# KiCad board 6502-ACE.kicad_pcb
title: 6502 ACE; date: 2026-04-29; rev: 1.0; company: A.C. Wright Design
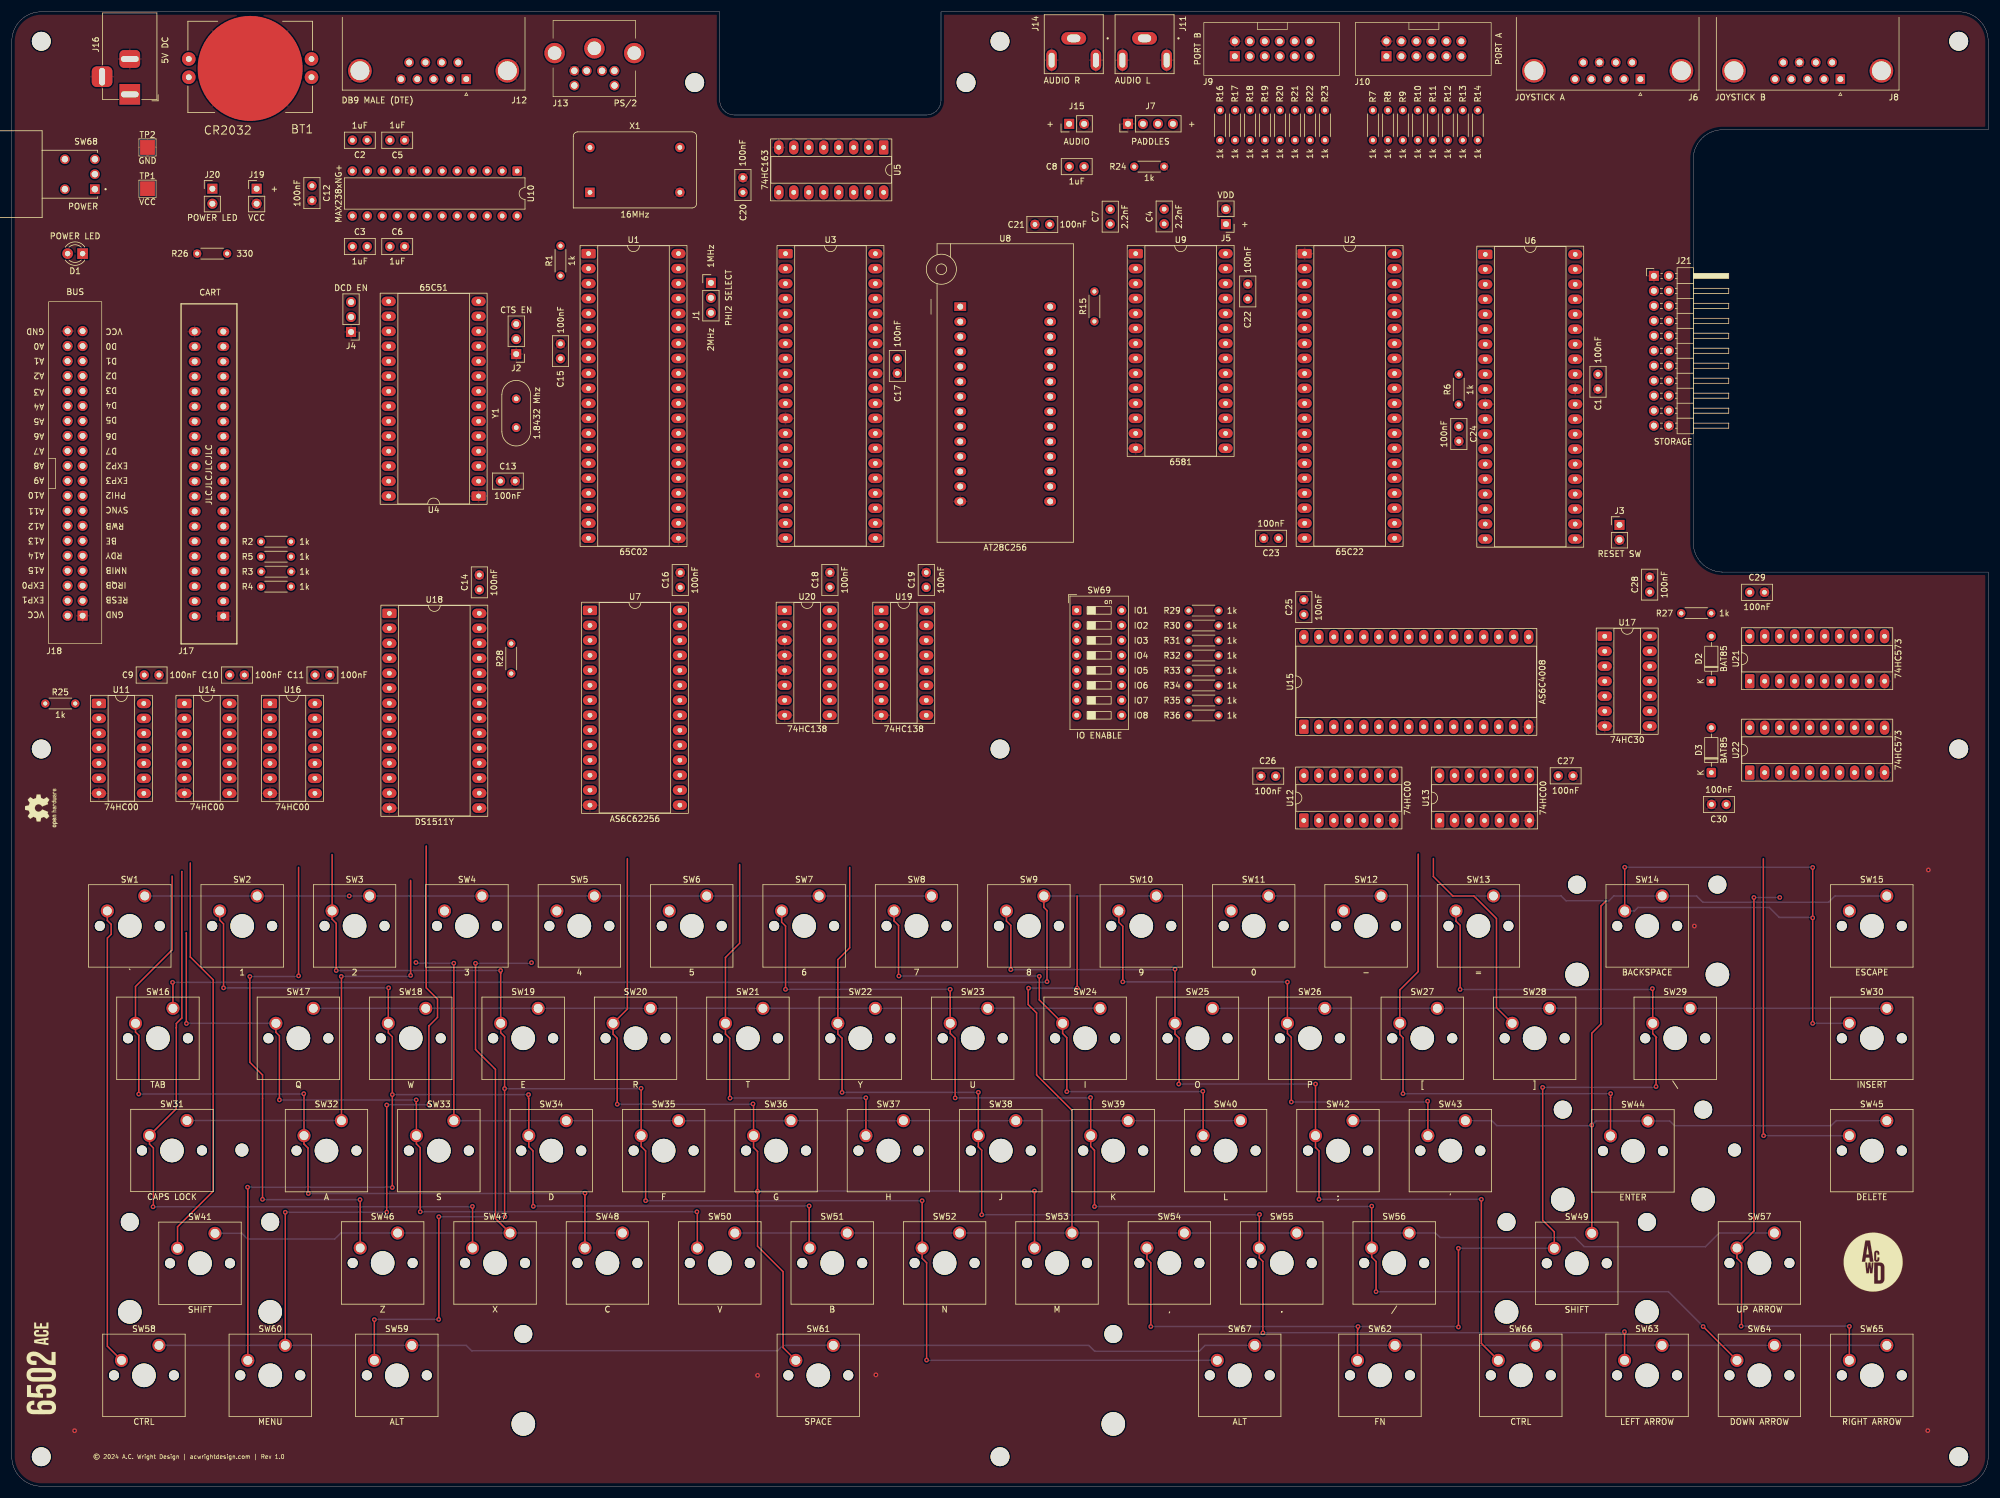
[diagram p0: board, top side]
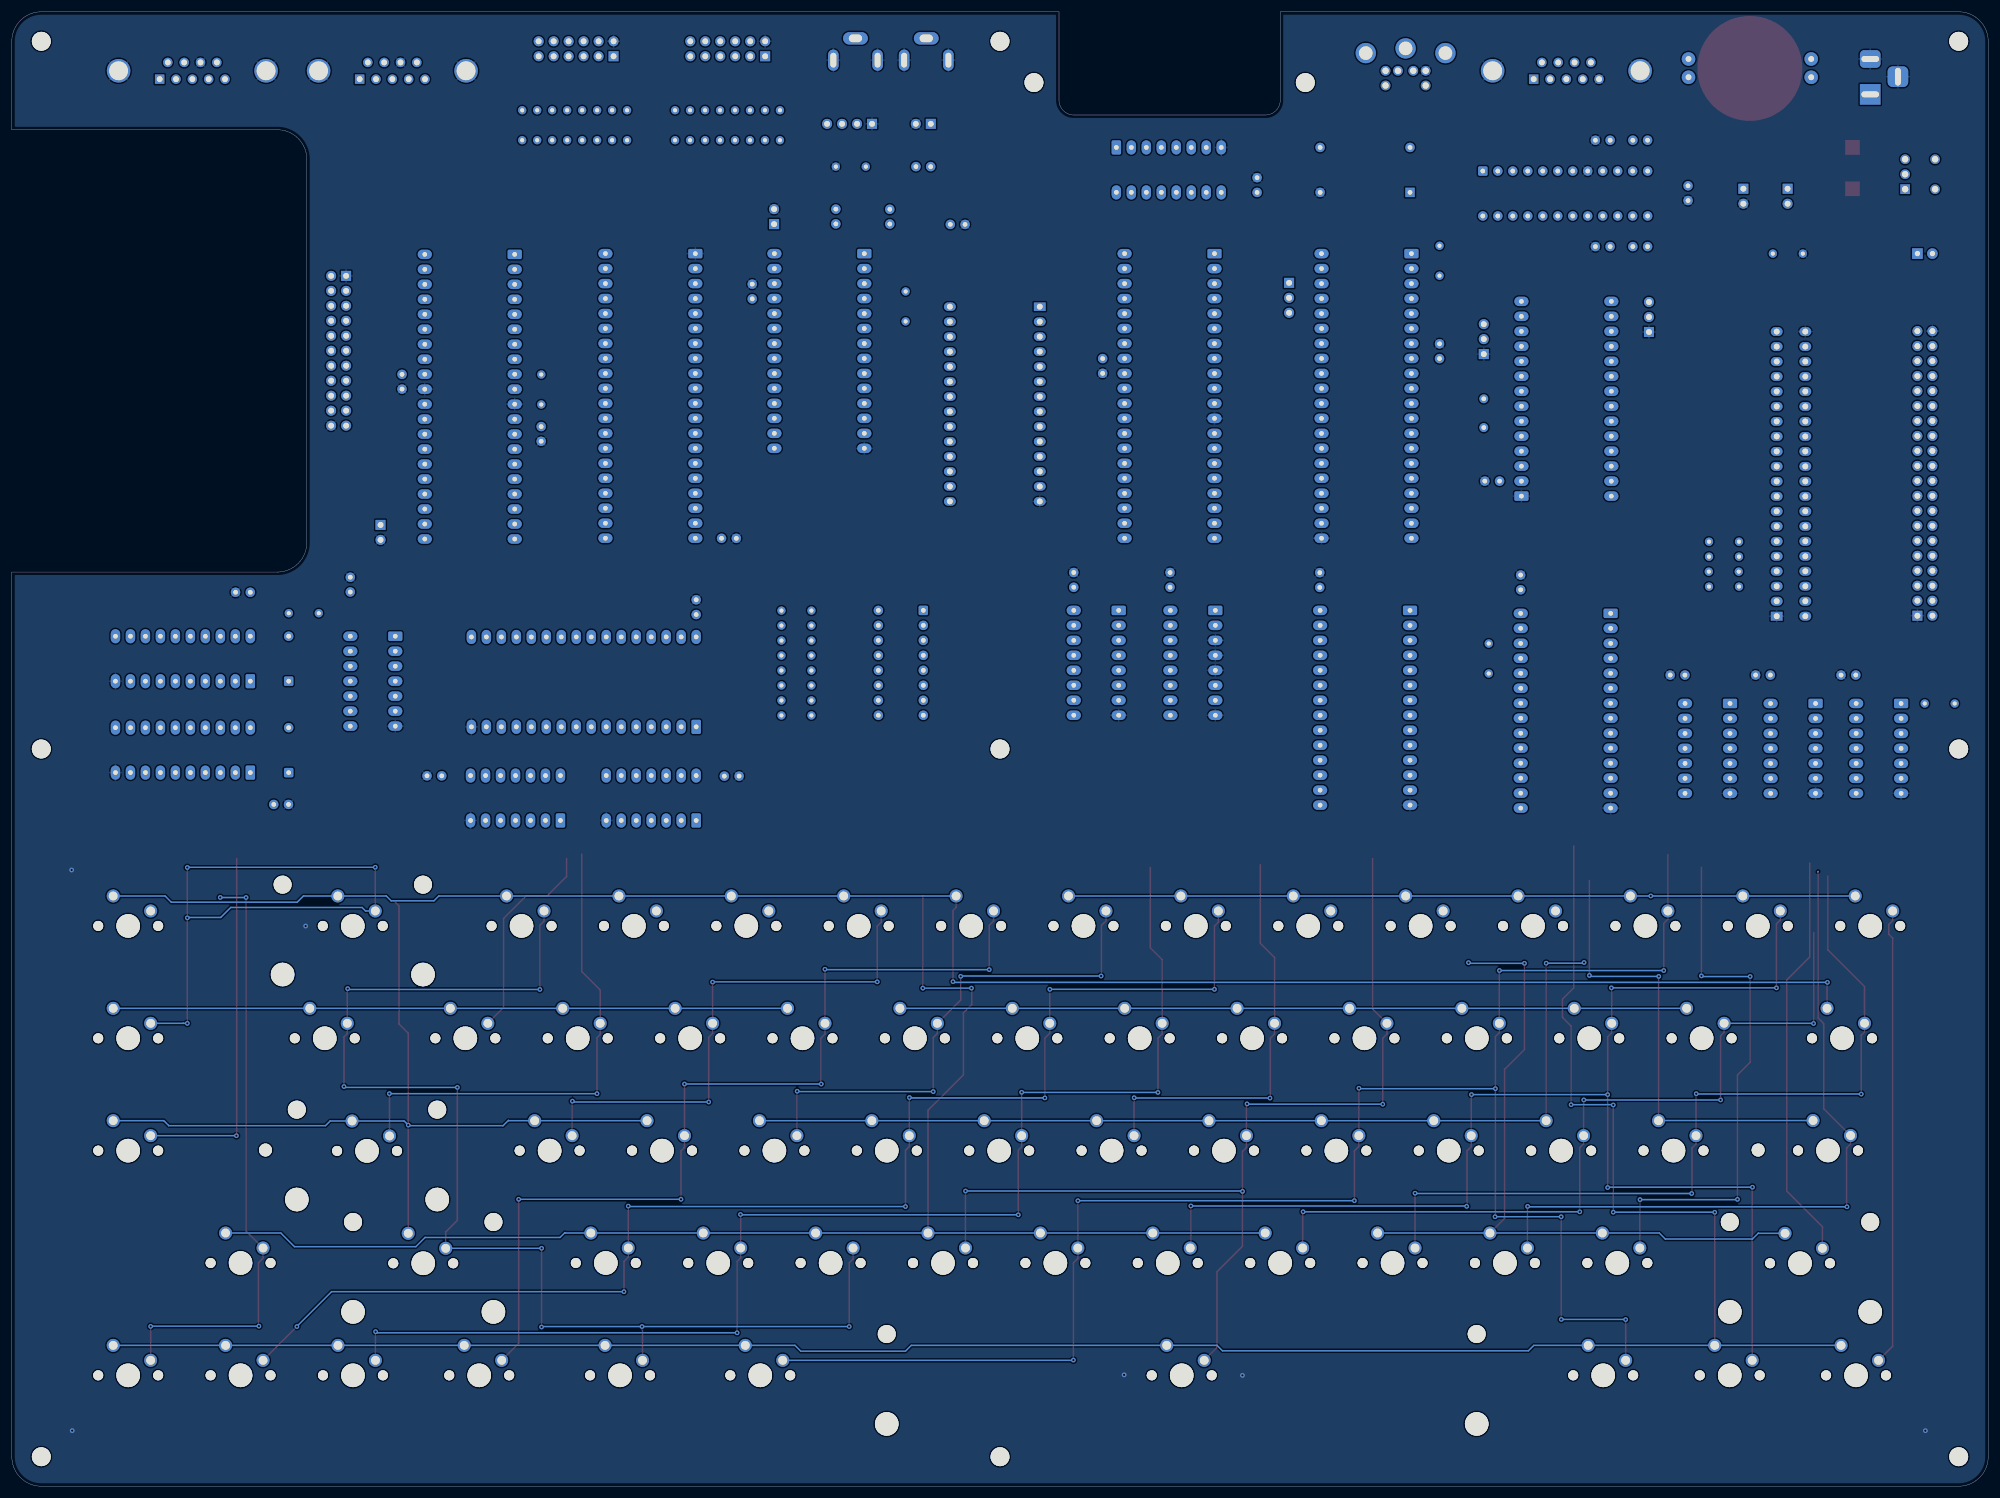
[diagram p1: board, bottom side, seen from below]

Outline 335 x 250 mm; copper layers: Top, Bottom. Coordinates in mm from the lower left corner of the outline.
Outline path: 0,245 arc(1.46,248.54) 5,250 120,250 120,235 arc(120.73,233.23) 122.5,232.5 155,232.5 arc(156.77,233.23) 157.5,235 157.5,250 330,250 arc(333.54,248.54) 335,245 335,230 290,230 arc(286.46,228.54) 285,225 285,160 arc(286.46,156.46) 290,155 335,155 335,5 arc(333.54,1.46) 330,0 5,0 arc(1.46,1.46) 0,5 0,245

## Placement (name value [footprint] x y rotation side)
BT1  CR2032  [BAT_BAT-HLD-001-THM]  40.4 240.4 180 top
C1  100nF  [C_Disc_D5.0mm_W2.5mm_P2.50mm]  268.86 186.03 90 top
C2  1uF  [C_Disc_D5.0mm_W2.5mm_P2.50mm]  60.23 228.23 180 top
C3  1uF  [C_Disc_D5.0mm_W2.5mm_P2.50mm]  57.73 210.19 0 top
C4  2.2nF  [C_Disc_D5.0mm_W2.5mm_P2.50mm]  195.33 214.04 90 top
C5  1uF  [C_Disc_D5.0mm_W2.5mm_P2.50mm]  64.08 228.23 0 top
C6  1uF  [C_Disc_D5.0mm_W2.5mm_P2.50mm]  64.08 210.19 0 top
C7  2.2nF  [C_Disc_D5.0mm_W2.5mm_P2.50mm]  186.18 214.02 90 top
C8  1uF  [C_Disc_D5.0mm_W2.5mm_P2.50mm]  181.75 223.75 180 top
C9  100nF  [C_Disc_D5.0mm_W2.5mm_P2.50mm]  22.45 137.54 0 top
C10  100nF  [C_Disc_D5.0mm_W2.5mm_P2.50mm]  36.92 137.54 0 top
C11  100nF  [C_Disc_D5.0mm_W2.5mm_P2.50mm]  51.4 137.54 0 top
C12  100nF  [C_Disc_D5.0mm_W2.5mm_P2.50mm]  50.88 220.5 270 top
C13  100nF  [C_Disc_D5.0mm_W2.5mm_P2.50mm]  82.82 170.43 0 top
C14  100nF  [C_Disc_D5.0mm_W2.5mm_P2.50mm]  79.25 152 90 top
C15  100nF  [C_Disc_D5.0mm_W2.5mm_P2.50mm]  93 191.2 90 top
C16  100nF  [C_Disc_D5.0mm_W2.5mm_P2.50mm]  113.3 152.4 90 top
C17  100nF  [C_Disc_D5.0mm_W2.5mm_P2.50mm]  150.1 191.2 270 top
C18  100nF  [C_Disc_D5.0mm_W2.5mm_P2.50mm]  138.68 152.43 90 top
C19  100nF  [C_Disc_D5.0mm_W2.5mm_P2.50mm]  155 152.43 90 top
C20  100nF  [C_Disc_D5.0mm_W2.5mm_P2.50mm]  123.93 219.38 90 top
C21  100nF  [C_Disc_D5.0mm_W2.5mm_P2.50mm]  175.93 213.95 180 top
C22  100nF  [C_Disc_D5.0mm_W2.5mm_P2.50mm]  209.5 201.32 90 top
C23  100nF  [C_Disc_D5.0mm_W2.5mm_P2.50mm]  214.7 160.72 180 top
C24  100nF  [C_Disc_D5.0mm_W2.5mm_P2.50mm]  245.27 179.68 270 top
C25  100nF  [C_Disc_D5.0mm_W2.5mm_P2.50mm]  219 147.8 90 top
C26  100nF  [C_Disc_D5.0mm_W2.5mm_P2.50mm]  214.23 120.4 180 top
C27  100nF  [C_Disc_D5.0mm_W2.5mm_P2.50mm]  262.12 120.45 0 top
C28  100nF  [C_Disc_D5.0mm_W2.5mm_P2.50mm]  277.62 151.62 90 top
C29  100nF  [C_Disc_D5.0mm_W2.5mm_P2.50mm]  294.57 151.57 0 top
C30  100nF  [C_Disc_D5.0mm_W2.5mm_P2.50mm]  290.6 115.6 180 top
D1  POWER LED  [LED_D3.0mm]  12 209 180 top
D2  BAT85  [D_DO-35_SOD27_P7.62mm_Horizontal]  288.07 136.5 90 top
D3  BAT85  [D_DO-35_SOD27_P7.62mm_Horizontal]  288.07 121 90 top
G***  LOGO  [6502-ACE]  5 20 90 top
G***#2  LOGO  [ACWright Logo 10mm]  315.5 38 0 top
H1  MountingHole  [MountingHole_3.2mm_M3]  330 5 0 top
H2  MountingHole  [MountingHole_3.2mm_M3]  5 245 0 top
H2#2  MountingHole  [MountingHole_3.2mm_M3]  167.5 5 0 top
H2#3  MountingHole  [MountingHole_3.2mm_M3]  167.5 125 0 top
H2#4  MountingHole  [MountingHole_3.2mm_M3]  167.5 245 0 top
H2#5  MountingHole  [MountingHole_3.2mm_M3]  330 125 0 top
H2#6  MountingHole  [MountingHole_3.2mm_M3]  330 245 0 top
H3  MountingHole  [MountingHole_2.2mm_M2]  39 57 0 top
H3#2  MountingHole  [MountingHole_3.2mm_M3]  5 125 0 top
H3#3  MountingHole  [MountingHole_2.2mm_M2]  292 57 0 top
H4  MountingHole  [MountingHole_3.2mm_M3]  5 5 0 top
J1  PHI2 SELECT  [PinHeader_1x03_P2.54mm_Vertical]  118.5 204.04 0 top
J2  CTS EN  [PinHeader_1x03_P2.54mm_Vertical]  85.5 191.96 180 top
J3  RESET SW  [PinHeader_1x02_P2.54mm_Vertical]  272.5 163 0 top
J4  DCD EN  [PinHeader_1x03_P2.54mm_Vertical]  57.5 195.71 180 top
J5  VDD  [PinHeader_1x02_P2.54mm_Vertical]  205.8 214 180 top
J6  JOYSTICK A  [DSUB-9_Pins_Horizontal_P2.77x2.84mm_EdgePinOffset7.70mm_Housed_MountingHolesOffset9.12mm]  276.04 238.58 180 top
J7  PADDLES  [PinHeader_1x04_P2.54mm_Vertical]  189.19 231 90 top
J8  JOYSTICK B  [DSUB-9_Pins_Horizontal_P2.77x2.84mm_EdgePinOffset7.70mm_Housed_MountingHolesOffset9.12mm]  309.94 238.58 180 top
J9  PORT B  [6502 GPIO Connector]  207.3 242.46 90 top
J10  PORT A  [6502 GPIO Connector]  233 242.46 90 top
J11  AUDIO L  [SWITCHCRAFT_PJRAN1X1U0XX]  192 245.5 180 top
J12  DB9 MALE (DTE)  [DSUB-9_Pins_Horizontal_P2.77x2.84mm_EdgePinOffset7.70mm_Housed_MountingHolesOffset9.12mm]  77.04 238.58 180 top
J13  PS/2  [KMDGX-6S-BS]  97.45 240 0 top
J14  AUDIO R  [SWITCHCRAFT_PJRAN1X1U0XX]  180 245.5 180 top
J15  AUDIO  [PinHeader_1x02_P2.54mm_Vertical]  179.23 231 90 top
J16  5V DC  [BarrelJack_Horizontal]  20 236 270 top
J17  CART  [RHDR40W82P485X254_2X20_5740X93]  35.85 147.52 90 top
J18  BUS  [6502 Bus Connector]  12 147.6 180 top
J19  VCC  [PinHeader_1x02_P2.54mm_Vertical]  41.5 220 0 top
J20  POWER LED  [PinHeader_1x02_P2.54mm_Vertical]  34 220 0 top
J21  STORAGE  [PinHeader_2x11_P2.54mm_Horizontal]  278.33 205.22 0 top
R1  1k  [R_Axial_DIN0204_L3.6mm_D1.6mm_P5.08mm_Horizontal]  93 205.25 90 top
R2  1k  [R_Axial_DIN0204_L3.6mm_D1.6mm_P5.08mm_Horizontal]  42.24 160.15 0 top
R3  1k  [R_Axial_DIN0204_L3.6mm_D1.6mm_P5.08mm_Horizontal]  42.28 155.07 0 top
R4  1k  [R_Axial_DIN0204_L3.6mm_D1.6mm_P5.08mm_Horizontal]  42.24 152.53 0 top
R5  1k  [R_Axial_DIN0204_L3.6mm_D1.6mm_P5.08mm_Horizontal]  42.24 157.61 0 top
R6  1k  [R_Axial_DIN0204_L3.6mm_D1.6mm_P5.08mm_Horizontal]  245.25 183.42 90 top
R7  1k  [R_Axial_DIN0204_L3.6mm_D1.6mm_P5.08mm_Horizontal]  230.71 233.31 270 top
R8  1k  [R_Axial_DIN0204_L3.6mm_D1.6mm_P5.08mm_Horizontal]  233.25 233.31 270 top
R9  1k  [R_Axial_DIN0204_L3.6mm_D1.6mm_P5.08mm_Horizontal]  235.79 233.31 270 top
R10  1k  [R_Axial_DIN0204_L3.6mm_D1.6mm_P5.08mm_Horizontal]  238.33 233.31 270 top
R11  1k  [R_Axial_DIN0204_L3.6mm_D1.6mm_P5.08mm_Horizontal]  240.87 233.31 270 top
R12  1k  [R_Axial_DIN0204_L3.6mm_D1.6mm_P5.08mm_Horizontal]  243.41 233.31 270 top
R13  1k  [R_Axial_DIN0204_L3.6mm_D1.6mm_P5.08mm_Horizontal]  245.95 233.31 270 top
R14  1k  [R_Axial_DIN0204_L3.6mm_D1.6mm_P5.08mm_Horizontal]  248.49 233.31 270 top
R15  1k  [R_Axial_DIN0204_L3.6mm_D1.6mm_P5.08mm_Horizontal]  183.5 197.5 90 top
R16  1k  [R_Axial_DIN0204_L3.6mm_D1.6mm_P5.08mm_Horizontal]  204.8 233.31 270 top
R17  1k  [R_Axial_DIN0204_L3.6mm_D1.6mm_P5.08mm_Horizontal]  207.34 233.31 270 top
R18  1k  [R_Axial_DIN0204_L3.6mm_D1.6mm_P5.08mm_Horizontal]  209.88 233.31 270 top
R19  1k  [R_Axial_DIN0204_L3.6mm_D1.6mm_P5.08mm_Horizontal]  212.42 233.31 270 top
R20  1k  [R_Axial_DIN0204_L3.6mm_D1.6mm_P5.08mm_Horizontal]  214.96 233.31 270 top
R21  1k  [R_Axial_DIN0204_L3.6mm_D1.6mm_P5.08mm_Horizontal]  217.5 233.31 270 top
R22  1k  [R_Axial_DIN0204_L3.6mm_D1.6mm_P5.08mm_Horizontal]  220.04 233.31 270 top
R23  1k  [R_Axial_DIN0204_L3.6mm_D1.6mm_P5.08mm_Horizontal]  222.58 233.31 270 top
R24  1k  [R_Axial_DIN0204_L3.6mm_D1.6mm_P5.08mm_Horizontal]  190.25 223.75 0 top
R25  1k  [R_Axial_DIN0204_L3.6mm_D1.6mm_P5.08mm_Horizontal]  5.68 132.71 0 top
R26  330  [R_Axial_DIN0204_L3.6mm_D1.6mm_P5.08mm_Horizontal]  36.5 209 180 top
R27  1k  [R_Axial_DIN0204_L3.6mm_D1.6mm_P5.08mm_Horizontal]  282.97 148.03 0 top
R28  1k  [R_Axial_DIN0204_L3.6mm_D1.6mm_P5.08mm_Horizontal]  84.66 137.8 90 top
R29  1k  [R_Axial_DIN0204_L3.6mm_D1.6mm_P5.08mm_Horizontal]  199.47 148.47 0 top
R30  1k  [R_Axial_DIN0204_L3.6mm_D1.6mm_P5.08mm_Horizontal]  199.47 145.93 0 top
R31  1k  [R_Axial_DIN0204_L3.6mm_D1.6mm_P5.08mm_Horizontal]  199.47 143.39 0 top
R32  1k  [R_Axial_DIN0204_L3.6mm_D1.6mm_P5.08mm_Horizontal]  199.47 140.85 0 top
R33  1k  [R_Axial_DIN0204_L3.6mm_D1.6mm_P5.08mm_Horizontal]  199.47 138.31 0 top
R34  1k  [R_Axial_DIN0204_L3.6mm_D1.6mm_P5.08mm_Horizontal]  199.47 135.77 0 top
R35  1k  [R_Axial_DIN0204_L3.6mm_D1.6mm_P5.08mm_Horizontal]  199.47 133.23 0 top
R36  1k  [R_Axial_DIN0204_L3.6mm_D1.6mm_P5.08mm_Horizontal]  199.47 130.69 0 top
REF**  -  [MountingHole_3.2mm_M3]  115.75 238 0 top
REF**#2  -  [OSHW-Logo2_7.3x6mm_SilkScreen]  5 115 90 top
REF**#3  -  [MountingHole_3.2mm_M3]  161.75 238 0 top
SW1  `  [SW_Cherry_MX_1.00u_PCB]  22.54 100.08 0 top
SW2  1  [SW_Cherry_MX_1.00u_PCB]  41.59 100.08 0 top
SW3  2  [SW_Cherry_MX_1.00u_PCB]  60.64 100.08 0 top
SW4  3  [SW_Cherry_MX_1.00u_PCB]  79.69 100.08 0 top
SW5  4  [SW_Cherry_MX_1.00u_PCB]  98.74 100.08 0 top
SW6  5  [SW_Cherry_MX_1.00u_PCB]  117.79 100.08 0 top
SW7  6  [SW_Cherry_MX_1.00u_PCB]  136.84 100.08 0 top
SW8  7  [SW_Cherry_MX_1.00u_PCB]  155.89 100.08 0 top
SW9  8  [SW_Cherry_MX_1.00u_PCB]  174.94 100.08 0 top
SW10  9  [SW_Cherry_MX_1.00u_PCB]  193.99 100.08 0 top
SW11  0  [SW_Cherry_MX_1.00u_PCB]  213.04 100.08 0 top
SW12  -  [SW_Cherry_MX_1.00u_PCB]  232.09 100.08 0 top
SW13  =  [SW_Cherry_MX_1.00u_PCB]  251.14 100.08 0 top
SW14  BACKSPACE  [SW_Cherry_MX_2.00u_PCB]  279.74 100.08 0 top
SW15  ESCAPE  [SW_Cherry_MX_1.00u_PCB]  317.81 100.08 0 top
SW16  TAB  [SW_Cherry_MX_1.50u_PCB]  27.31 81.03 0 top
SW17  Q  [SW_Cherry_MX_1.00u_PCB]  51.12 81.03 0 top
SW18  W  [SW_Cherry_MX_1.00u_PCB]  70.16 81.03 0 top
SW19  E  [SW_Cherry_MX_1.00u_PCB]  89.22 81.03 0 top
SW20  R  [SW_Cherry_MX_1.00u_PCB]  108.26 81.03 0 top
SW21  T  [SW_Cherry_MX_1.00u_PCB]  127.31 81.03 0 top
SW22  Y  [SW_Cherry_MX_1.00u_PCB]  146.37 81.03 0 top
SW23  U  [SW_Cherry_MX_1.00u_PCB]  165.42 81.03 0 top
SW24  I  [SW_Cherry_MX_1.00u_PCB]  184.46 81.03 0 top
SW25  O  [SW_Cherry_MX_1.00u_PCB]  203.51 81.03 0 top
SW26  P  [SW_Cherry_MX_1.00u_PCB]  222.56 81.03 0 top
SW27  [  [SW_Cherry_MX_1.00u_PCB]  241.62 81.03 0 top
SW28  ]  [SW_Cherry_MX_1.00u_PCB]  260.67 81.03 0 top
SW29  \  [SW_Cherry_MX_1.50u_PCB]  284.49 81.03 0 top
SW30  INSERT  [SW_Cherry_MX_1.00u_PCB]  317.81 81.03 0 top
SW31  CAPS LOCK  [SW_Cherry_MX_1.75u_PCB]  29.69 62 0 top
SW32  A  [SW_Cherry_MX_1.00u_PCB]  55.88 61.98 0 top
SW33  S  [SW_Cherry_MX_1.00u_PCB]  74.93 61.98 0 top
SW34  D  [SW_Cherry_MX_1.00u_PCB]  93.98 61.98 0 top
SW35  F  [SW_Cherry_MX_1.00u_PCB]  113.03 61.98 0 top
SW36  G  [SW_Cherry_MX_1.00u_PCB]  132.08 61.98 0 top
SW37  H  [SW_Cherry_MX_1.00u_PCB]  151.13 61.98 0 top
SW38  J  [SW_Cherry_MX_1.00u_PCB]  170.18 61.98 0 top
SW39  K  [SW_Cherry_MX_1.00u_PCB]  189.23 61.98 0 top
SW40  L  [SW_Cherry_MX_1.00u_PCB]  208.28 61.98 0 top
SW41  SHIFT  [SW_Cherry_MX_2.25u_PCB]  34.44 42.88 0 top
SW42  ;  [SW_Cherry_MX_1.00u_PCB]  227.33 61.98 0 top
SW43  '  [SW_Cherry_MX_1.00u_PCB]  246.38 61.98 0 top
SW44  ENTER  [SW_Cherry_MX_2.25u_PCB]  277.33 61.93 0 top
SW45  DELETE  [SW_Cherry_MX_1.00u_PCB]  317.81 61.98 0 top
SW46  Z  [SW_Cherry_MX_1.00u_PCB]  65.4 42.93 0 top
SW47  X  [SW_Cherry_MX_1.00u_PCB]  84.45 42.93 0 top
SW48  C  [SW_Cherry_MX_1.00u_PCB]  103.5 42.93 0 top
SW49  SHIFT  [SW_Cherry_MX_2.25u_PCB]  267.8 42.88 0 top
SW50  V  [SW_Cherry_MX_1.00u_PCB]  122.55 42.93 0 top
SW51  B  [SW_Cherry_MX_1.00u_PCB]  141.6 42.93 0 top
SW52  N  [SW_Cherry_MX_1.00u_PCB]  160.65 42.93 0 top
SW53  M  [SW_Cherry_MX_1.00u_PCB]  179.7 42.93 0 top
SW54  ,  [SW_Cherry_MX_1.00u_PCB]  198.75 42.93 0 top
SW55  .  [SW_Cherry_MX_1.00u_PCB]  217.8 42.93 0 top
SW56  /  [SW_Cherry_MX_1.00u_PCB]  236.85 42.93 0 top
SW57  UP ARROW  [SW_Cherry_MX_1.00u_PCB]  298.76 42.93 0 top
SW58  CTRL  [SW_Cherry_MX_1.25u_PCB]  24.94 23.88 0 top
SW59  ALT  [SW_Cherry_MX_1.25u_PCB]  67.8 23.88 0 top
SW60  MENU  [SW_Cherry_MX_1.00u_PCB]  46.35 23.88 0 top
SW61  SPACE  [SW_Cherry_MX_6.25u_PCB]  139.24 23.88 0 top
SW62  FN  [SW_Cherry_MX_1.25u_PCB]  234.44 23.88 0 top
SW63  LEFT ARROW  [SW_Cherry_MX_1.00u_PCB]  279.71 23.88 0 top
SW64  DOWN ARROW  [SW_Cherry_MX_1.00u_PCB]  298.76 23.88 0 top
SW65  RIGHT ARROW  [SW_Cherry_MX_1.00u_PCB]  317.81 23.88 0 top
SW66  CTRL  [SW_Cherry_MX_1.25u_PCB]  258.31 23.88 0 top
SW67  ALT  [SW_Cherry_MX_1.25u_PCB]  210.68 23.88 0 top
SW68  POWER  [SW_400MSP1R6BLKM6QE]  14.08 222.46 0 top
SW69  IO ENABLE  [SW_DIP_SPSTx08_Slide_9.78x22.5mm_W7.62mm_P2.54mm]  180.5 148.5 0 top
TP1  VCC  [TestPoint_Pad_2.5x2.5mm]  23 220 0 top
TP2  GND  [TestPoint_Pad_2.5x2.5mm]  23 227 0 top
U1  65C02  [DIP-40_W15.24mm_Socket_LongPads]  97.76 209 0 top
U2  65C22  [DIP-40_W15.24mm_Socket_LongPads]  219.14 209 0 top
U3  Pico9918A  [DIP-40_W15.24mm_Socket_LongPads]  131.15 209 0 top
U4  65C51  [DIP-28_W15.24mm_Socket_LongPads]  79.12 167.88 180 top
U5  74HC163  [DIP-16_W7.62mm_Socket_LongPads]  147.78 227 270 top
U6  ATmega1284-P  [DIP-40_W15.24mm_Socket_LongPads]  249.76 208.87 0 top
U7  AS6C62256  [DIP-28_W15.24mm_Socket_LongPads]  98 148.5 0 top
U8  AT28C256  [DIP_Socket-28_W11.9mm_W12.7mm_W15.24mm_W17.78mm_W18.5mm_3M_228-1277-00-0602J]  160.76 200 0 top
U9  6581  [DIP-28_W15.24mm_Socket_LongPads]  190.5 209 0 top
U10  MAX238xNG+  [DIP-24_W7.62mm]  85.66 223 270 top
U11  74HC00  [DIP-14_W7.62mm_Socket_LongPads]  14.76 132.72 0 top
U12  74HC00  [DIP-14_W7.62mm_Socket_LongPads]  219 112.88 90 top
U13  74HC00  [DIP-14_W7.62mm_Socket_LongPads]  242 112.88 90 top
U14  74HC00  [DIP-14_W7.62mm_Socket_LongPads]  29.26 132.72 0 top
U15  AS6C4008  [DIP-32_W15.24mm_Socket_LongPads]  219 128.76 90 top
U16  74HC00  [DIP-14_W7.62mm_Socket_LongPads]  43.76 132.72 0 top
U17  74HC30  [DIP-14_W7.62mm_Socket_LongPads]  270 144.12 0 top
U18  DS1511Y  [DIP-28_W15.24mm_Socket_LongPads]  64 148 0 top
U19  74HC138  [DIP-16_W7.62mm_Socket_LongPads]  147.38 148.5 0 top
U20  74HC138  [DIP-16_W7.62mm_Socket_LongPads]  131 148.5 0 top
U21  74HC573  [DIP-20_W7.62mm_Socket_LongPads]  294.57 136.5 90 top
U22  74HC573  [DIP-20_W7.62mm_Socket_LongPads]  294.57 121 90 top
X1  16MHz  [Oscillator_DIP-14]  98 219.38 0 top
Y1  1.8432 Mhz  [Crystal_HC49-U_Vertical]  85.5 179.5 90 top

## Library data of the parts
C1-C30 = -: KiLib_Generator: capacitor/THT/other; ki_fp_filters: C_*
D1 = -: KiLib_Generator: LED/THT; ki_fp_filters: LED* LED_SMD:* LED_THT:*
D2 D3 = -: KiLib_Generator: diode/THT; ki_fp_filters: TO-???* *_Diode_* *SingleDiode* D_*
H1 H2 H2#4-H2#6 H3#2 H4 = -: Description: Mounting Hole without connection; ki_fp_filters: MountingHole*
H2#2 H2#3 = -: Description: Mounting Hole without connection
J1-J5 J7 J15 J19 J20 = -: KiLib_Generator: connector/pin_header_socket; ki_fp_filters: Connector*:*_1x??_*
J6 J8 J12 = -: KiLib_Generator: connector/D_sub; ki_fp_filters: DSUB*Pins*
J9 J10 J17 J18 = -: ki_fp_filters: Connector*:*_2x??_*
J11 J14 = -: ki_fp_filters: *BNC* *SMA* *SMB* *SMC* *Cinch* *LEMO* *UMRF* *MCX* *U.FL*
J13 = -: ki_fp_filters: MINI?DIN*
J16 = -: ki_fp_filters: BarrelJack*
J21 = -: KiLib_Generator: connector/pin_header_socket; ki_fp_filters: Connector*:*_2x??_*
R1-R36 = -: KiLib_Generator: resistor/THT; ki_fp_filters: R_*
REF** REF**#3 = -: KiLib_Generator: mounting_hardware/mounting_hole
SW69 = -: KiLib_Generator: button_switch/DIP; ki_fp_filters: SW?DIP?x8*
TP1 TP2 = -: ki_fp_filters: Pin* Test*
U1-U4 U7 U9 U15 U18 = -: KiLib_Generator: package/DIP/legacy
U5 = -: KiLib_Generator: package/DIP/legacy; ki_fp_filters: DIP?16*
U6 = -: KiLib_Generator: package/DIP/legacy; ki_fp_filters: DIP*W15.24mm*
U8 = -: KiLib_Generator: connector/DIP_socket
U10 U17 = -: KiLib_Generator: package/DIP/legacy; ki_fp_filters: DIP*W7.62mm*
U11-U14 U16 = -: KiLib_Generator: package/DIP/legacy; ki_fp_filters: DIP*W7.62mm* SO14*
U19 U20 = -: KiLib_Generator: package/DIP/legacy; ki_fp_filters: DIP*W7.62mm* SOIC*3.9x9.9mm*P1.27mm* SSOP*5.3x6.2mm*P0.65mm*
U21 U22 = -: KiLib_Generator: package/DIP/legacy; ki_fp_filters: DIP?20*
X1 = -: ki_fp_filters: Oscillator*DIP*14*
Y1 = -: KiLib_Generator: crystal_resonator_oscillator; ki_fp_filters: Crystal*
